# Altium PCB UmTRXv21.PcbDoc (part 13 of 19)
Units mm, origin at the board's own origin, x right, y up, seen from the top; angles counter-clockwise.
Board outline 159.5 x 99.5 mm, 6 copper layers (Top Layer, GND, MidLayer1, Mid-Layer 2, InternalPlane2, Bottom Layer), stack 1.526 mm thick; 716 components, 578 nets, 2850 pads, 1402 vias.
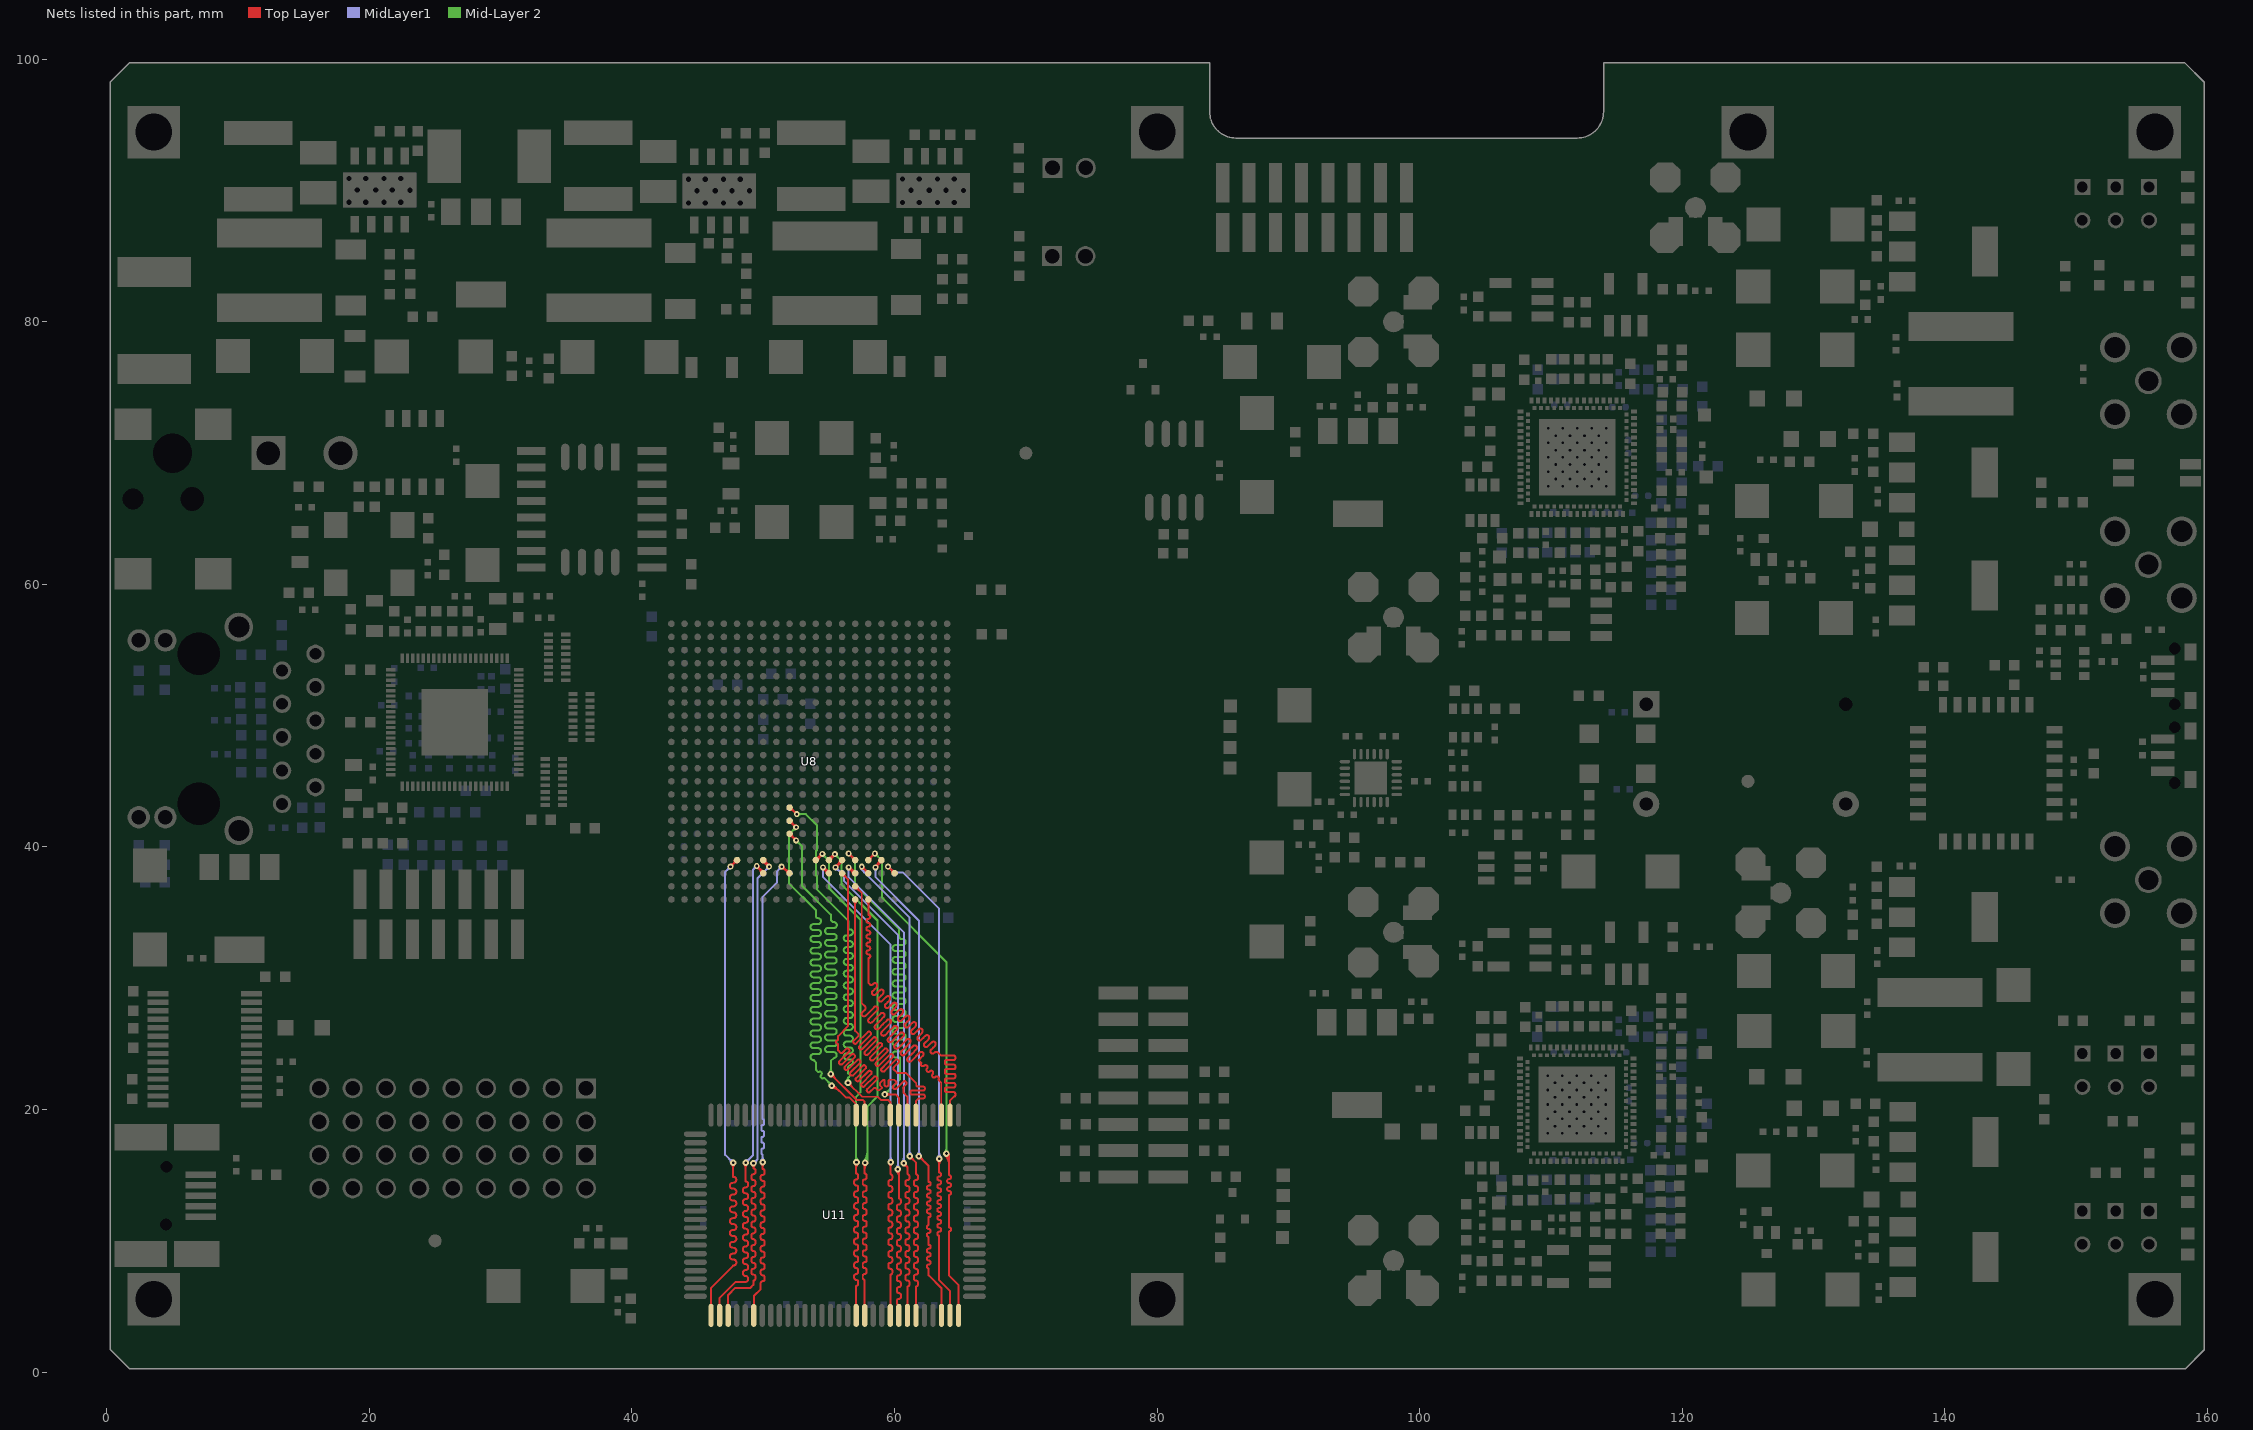
[diagram p17: the nets of this part, all layers, seen from the top]

## Via types
v1: diameter 0.45, hole 0.2, Top Layer to Bottom Layer, tented both sides, 440 vias
v2: diameter 0.5, hole 0.2, Top Layer to Bottom Layer, tented both sides, 423 vias
v3: diameter 0.7, hole 0.3, Top Layer to Bottom Layer, tented both sides, 257 vias
v4: diameter 0.4, hole 0.2, Top Layer to Bottom Layer, tented both sides, 197 vias
v5: diameter 0.8, hole 0.3, Top Layer to Bottom Layer, tented both sides, 63 vias
v6: diameter 0.6, hole 0.25, Top Layer to Bottom Layer, tented both sides, 16 vias
v7: diameter 0.6, hole 0.3, Top Layer to Bottom Layer, tented both sides, 4 vias
v8: diameter 1, hole 0.5, Top Layer to Bottom Layer, tented both sides, 2 vias

## Nets (pads, with @x,y where several pads share a name; then routed paths per layer and width w, separated by ;. In a path a pad name is that pad's centre, name@x,y a point inside that pad or via, vN(x,y) a via of type N, cw(c..) or ccw(c..) an arc to the next point about the centre after c; other vN are vias at no path point) (continued)
RAM_D05: U8.C13 U11.56 | length 42.9
  Top Layer w0.15: U11.56@49.275,4.325 49.275,5.8 49.8,6.325 49.8,6.775 cw(c49.95,6.775) 49.95,6.925 ccw(c49.95,7.075) 50.1,7.075 50.1,7.225 ccw(c49.95,7.225) 49.95,7.375 cw(c49.95,7.525) 49.8,7.525 49.8,7.675 cw(c49.95,7.675) 49.95,7.825 ccw(c49.95,7.975) 50.1,7.975 50.1,8.125 ccw(c49.95,8.125) 49.95,8.275 cw(c49.95,8.425) 49.8,8.425 49.8,8.575 cw(c49.95,8.575) 49.95,8.725 ccw(c49.95,8.875) 50.1,8.875 50.1,9.025 ccw(c49.95,9.025) 49.95,9.175 cw(c49.95,9.325) 49.8,9.325 49.8,9.475 cw(c49.95,9.475) 49.95,9.625 ccw(c49.95,9.775) 50.1,9.775 50.1,9.925 ccw(c49.95,9.925) 49.95,10.075 cw(c49.95,10.225) 49.8,10.225 49.8,10.375 cw(c49.95,10.375) 49.95,10.525 ccw(c49.95,10.675) 50.1,10.675 50.1,10.825 ccw(c49.95,10.825) 49.95,10.975 cw(c49.95,11.125) 49.8,11.125 49.8,11.275 cw(c49.95,11.275) 49.95,11.425 ccw(c49.95,11.575) 50.1,11.575 50.1,11.725 ccw(c49.95,11.725) 49.95,11.875 cw(c49.95,12.025) 49.8,12.025 49.8,12.175 cw(c49.95,12.175) 49.95,12.325 ccw(c49.95,12.475) 50.1,12.475 50.1,12.625 ccw(c49.95,12.625) 49.95,12.775 cw(c49.95,12.925) 49.8,12.925 49.8,13.075 cw(c49.95,13.075) 49.95,13.225 ccw(c49.95,13.375) 50.1,13.375 50.1,13.525 ccw(c49.95,13.525) 49.95,13.675 cw(c49.95,13.825) 49.8,13.825 49.8,13.975 cw(c49.95,13.975) 49.95,14.125 ccw(c49.95,14.275) 50.1,14.275 50.1,14.425 ccw(c49.95,14.425) 49.95,14.575 cw(c49.95,14.725) 49.8,14.725 49.8,14.875 cw(c49.95,14.875) 49.95,15.025 ccw(c49.95,15.175) 50.1,15.175 50.1,15.325 ccw(c49.95,15.325) 49.95,15.475 v2(49.95,16) ; v2@49.826,15.876 cw(c49.528,15.578) 49.95,15.578 cw(c50.372,15.578) v2@50.074,15.876 ; v1@51.4,38.35 cw(c51.4,37.867) 51.741,38.209 ; v1(51.4,38.5) 51.45,38.5 U8.C13@51.975,37.975 ; v1@51.55,38.5 ccw(c51.791,38.5) 51.621,38.329 ; 51.616,38.334 ccw(c52,38.718) U8.C13@52,38.175 ; 51.737,38.213 cw(c51.523,38) U8.C13@51.825,38
  MidLayer1 w0.15: v2@49.826,16.124 ccw(c49.528,16.422) 49.95,16.422 ccw(c50.372,16.422) v2@50.074,16.124 ; v2(49.95,16) 49.95,16.575 cw(c49.95,16.675) 49.85,16.675 49.85,16.925 cw(c49.95,16.925) 49.95,17.025 ccw(c49.95,17.125) 50.05,17.125 50.05,17.375 ccw(c49.95,17.375) 49.95,17.475 cw(c49.95,17.575) 49.85,17.575 49.85,17.825 cw(c49.95,17.825) 49.95,17.925 ccw(c49.95,18.025) 50.05,18.025 50.05,18.275 ccw(c49.95,18.275) 49.95,18.375 cw(c49.95,18.475) 49.85,18.475 49.85,18.725 cw(c49.95,18.725) 49.95,18.825 ccw(c49.95,18.925) 50.05,18.925 50.05,19.175 ccw(c49.95,19.175) 49.95,19.275 49.95,36.2 51.05,37.3 51.05,38.15 v1(51.4,38.5) ; v1@51.25,38.5 cw(c50.888,38.5) 51.144,38.244 cw(c51.4,37.988) v1@51.4,38.35
RAM_D06: U8.D15 U11.53 | length 45.2
  Top Layer w0.15: U11.53@47.325,4.325 47.325,5.875 47.875,6.425 49.025,6.425 49.25,6.65 49.25,6.975 ccw(c49.25,7.125) 49.4,7.125 49.4,7.275 ccw(c49.25,7.275) 49.25,7.425 cw(c49.25,7.575) 49.1,7.575 49.1,7.725 cw(c49.25,7.725) 49.25,7.875 ccw(c49.25,8.025) 49.4,8.025 49.4,8.175 ccw(c49.25,8.175) 49.25,8.325 cw(c49.25,8.475) 49.1,8.475 49.1,8.625 cw(c49.25,8.625) 49.25,8.775 ccw(c49.25,8.925) 49.4,8.925 49.4,9.075 ccw(c49.25,9.075) 49.25,9.225 cw(c49.25,9.375) 49.1,9.375 49.1,9.525 cw(c49.25,9.525) 49.25,9.675 ccw(c49.25,9.825) 49.4,9.825 49.4,9.975 ccw(c49.25,9.975) 49.25,10.125 cw(c49.25,10.275) 49.1,10.275 49.1,10.425 cw(c49.25,10.425) 49.25,10.575 ccw(c49.25,10.725) 49.4,10.725 49.4,10.875 ccw(c49.25,10.875) 49.25,11.025 cw(c49.25,11.175) 49.1,11.175 49.1,11.325 cw(c49.25,11.325) 49.25,11.475 ccw(c49.25,11.625) 49.4,11.625 49.4,11.775 ccw(c49.25,11.775) 49.25,11.925 cw(c49.25,12.075) 49.1,12.075 49.1,12.225 cw(c49.25,12.225) 49.25,12.375 ccw(c49.25,12.525) 49.4,12.525 49.4,12.675 ccw(c49.25,12.675) 49.25,12.825 cw(c49.25,12.975) 49.1,12.975 49.1,13.125 cw(c49.25,13.125) 49.25,13.275 ccw(c49.25,13.425) 49.4,13.425 49.4,13.575 ccw(c49.25,13.575) 49.25,13.725 cw(c49.25,13.875) 49.1,13.875 49.1,14.025 cw(c49.25,14.025) 49.25,14.175 ccw(c49.25,14.325) 49.4,14.325 49.4,14.475 ccw(c49.25,14.475) 49.25,14.625 cw(c49.25,14.775) 49.1,14.775 49.1,14.925 cw(c49.25,14.925) 49.25,15.075 ccw(c49.25,15.225) 49.4,15.225 49.4,15.375 ccw(c49.25,15.375) 49.25,15.525 ; v2@49.138,15.766 cw(c48.936,15.525) 49.25,15.525 ; v2(49.25,15.9) 49.25,15.525 ; v2@49.362,15.766 ccw(c49.564,15.525) 49.25,15.525 ; U8.D15@49.957,38.83 cw(c49.822,38.295) v1@50.301,38.571 ; U8.D15@50,38.825 cw(c50,38.523) 50.213,38.737 ; U8.D15@50,39 50,38.95 v1(50.45,38.5) ; U8.D15@50.021,38.826 cw(c50.043,38.639) 50.207,38.733 ; U8.D15@50.025,39.002 ccw(c50.315,39.022) 50.169,38.77 ; U8.D15@50.166,38.945 ccw(c50.345,38.886) 50.251,38.723 ; U8.D15@50.175,39.012 ccw(c50.653,39.045) v1@50.413,38.629 ; U8.D15@50.175,39 ccw(c50.718,39) v1@50.334,38.616 ; v1@50.3,38.5 ccw(c49.938,38.5) 50.194,38.756 ccw(c50.45,39.012) v1@50.45,38.65 ; U8.D15@50.169,38.955 ccw(c50.425,38.886) 50.196,38.753 cw(c50.425,38.886) U8.D15@50.169,38.955
  MidLayer1 w0.15: v2(49.25,15.9) 49.55,16.201 49.55,37.6 v1(50.45,38.5) ; v2@49.25,16.075 ccw(c49.25,16.495) 49.547,16.198 ; v2@49.425,15.9 cw(c49.85,15.9) 49.549,16.201 ; v1@50.3,38.5 cw(c49.938,38.5) 50.194,38.244 cw(c50.45,37.988) v1@50.45,38.35
RAM_D07: U8.C15 U11.52 | length 44.3
  Top Layer w0.15: U11.52@46.675,4.325 46.675,5.65 47.9,6.875 48.65,6.875 ccw(c48.65,7.075) 48.85,7.075 48.85,7.125 ccw(c48.65,7.125) 48.65,7.325 cw(c48.65,7.525) 48.45,7.525 48.45,7.575 cw(c48.65,7.575) 48.65,7.775 ccw(c48.65,7.975) 48.85,7.975 48.85,8.025 ccw(c48.65,8.025) 48.65,8.225 cw(c48.65,8.425) 48.45,8.425 48.45,8.475 cw(c48.65,8.475) 48.65,8.675 ccw(c48.65,8.875) 48.85,8.875 48.85,8.925 ccw(c48.65,8.925) 48.65,9.125 cw(c48.65,9.325) 48.45,9.325 48.45,9.375 cw(c48.65,9.375) 48.65,9.575 ccw(c48.65,9.775) 48.85,9.775 48.85,9.825 ccw(c48.65,9.825) 48.65,10.025 cw(c48.65,10.225) 48.45,10.225 48.45,10.275 cw(c48.65,10.275) 48.65,10.475 ccw(c48.65,10.675) 48.85,10.675 48.85,10.725 ccw(c48.65,10.725) 48.65,10.925 cw(c48.65,11.125) 48.45,11.125 48.45,11.175 cw(c48.65,11.175) 48.65,11.375 ccw(c48.65,11.575) 48.85,11.575 48.85,11.625 ccw(c48.65,11.625) 48.65,11.825 cw(c48.65,12.025) 48.45,12.025 48.45,12.075 cw(c48.65,12.075) 48.65,12.275 ccw(c48.65,12.475) 48.85,12.475 48.85,12.525 ccw(c48.65,12.525) 48.65,12.725 cw(c48.65,12.925) 48.45,12.925 48.45,12.975 cw(c48.65,12.975) 48.65,13.175 ccw(c48.65,13.375) 48.85,13.375 48.85,13.425 ccw(c48.65,13.425) 48.65,13.625 cw(c48.65,13.825) 48.45,13.825 48.45,13.875 cw(c48.65,13.875) 48.65,14.075 ccw(c48.65,14.275) 48.85,14.275 48.85,14.325 ccw(c48.65,14.325) 48.65,14.525 v2(48.65,15.95) ; v2@48.526,15.826 cw(c48.228,15.528) 48.65,15.528 cw(c49.072,15.528) v2@48.774,15.826 ; v1@49.5,38.4 cw(c49.5,38.159) 49.671,38.329 ; v1(49.5,38.55) 49.5,38.5 U8.C15@50,38 ; v1@49.644,38.463 ccw(c50.179,38.772) U8.C15@50.04,38.17 ; v1@49.65,38.55 ccw(c50.133,38.55) 49.791,38.209 ; 49.769,38.247 ccw(c49.913,38.33) U8.C15@49.955,38.169 ; U8.C15@49.825,38 ccw(c49.403,38) 49.701,38.299 ccw(c50,38.597) U8.C15@50,38.175
  MidLayer1 w0.15: v2(48.65,15.95) 49.2,16.5 49.2,38.25 v1(49.5,38.55) ; v2@48.65,16.125 ccw(c48.65,16.547) 48.949,16.249 ccw(c49.247,15.95) v2@48.825,15.95 ; v1@49.35,38.55 cw(c48.988,38.55) 49.244,38.294 cw(c49.5,38.038) v1@49.5,38.4
RAM_D08: U8.D17 U11.51 | length 43.7
  Top Layer w0.15: U11.51@46.025,4.325 46.025,6.425 47.7,8.1 cw(c47.725,8.1) 47.725,8.125 ccw(c47.725,8.35) 47.95,8.35 ccw(c47.725,8.35) 47.725,8.575 47.675,8.575 cw(c47.675,8.8) 47.45,8.8 cw(c47.675,8.8) 47.675,9.025 47.725,9.025 ccw(c47.725,9.25) 47.95,9.25 ccw(c47.725,9.25) 47.725,9.475 47.675,9.475 cw(c47.675,9.7) 47.45,9.7 cw(c47.675,9.7) 47.675,9.925 47.725,9.925 ccw(c47.725,10.15) 47.95,10.15 ccw(c47.725,10.15) 47.725,10.375 47.675,10.375 cw(c47.675,10.6) 47.45,10.6 cw(c47.675,10.6) 47.675,10.825 47.725,10.825 ccw(c47.725,11.05) 47.95,11.05 ccw(c47.725,11.05) 47.725,11.275 47.675,11.275 cw(c47.675,11.5) 47.45,11.5 cw(c47.675,11.5) 47.675,11.725 47.725,11.725 ccw(c47.725,11.95) 47.95,11.95 ccw(c47.725,11.95) 47.725,12.175 47.675,12.175 cw(c47.675,12.4) 47.45,12.4 cw(c47.675,12.4) 47.675,12.625 47.725,12.625 ccw(c47.725,12.85) 47.95,12.85 ccw(c47.725,12.85) 47.725,13.075 47.675,13.075 cw(c47.675,13.3) 47.45,13.3 cw(c47.675,13.3) 47.675,13.525 47.725,13.525 ccw(c47.725,13.75) 47.95,13.75 ccw(c47.725,13.75) 47.725,13.975 47.675,13.975 cw(c47.675,14.2) 47.45,14.2 cw(c47.675,14.2) 47.675,14.425 47.725,14.425 ccw(c47.725,14.65) 47.95,14.65 ccw(c47.725,14.65) 47.725,14.875 cw(c47.725,14.9) 47.7,14.9 v2(47.7,15.95) ; v1(47.5,38.5) U8.D17@48,39 ; v1@47.5,38.65 ccw(c47.5,39.012) 47.756,38.756 ccw(c48.012,38.5) v1@47.65,38.5 ; v2@47.576,15.826 cw(c47.278,15.528) 47.7,15.528 cw(c48.122,15.528) v2@47.824,15.826 ; U8.D17@47.825,39 cw(c47.403,39) 47.701,38.701 cw(c48,38.403) U8.D17@48,38.825
  MidLayer1 w0.15: v1@47.35,38.5 cw(c46.988,38.5) 47.244,38.244 cw(c47.5,37.988) v1@47.5,38.35 ; v1(47.5,38.5) 47.1,38.1 47.1,16.55 v2(47.7,15.95) ; v2@47.525,15.95 ccw(c47.103,15.95) 47.401,16.249 ccw(c47.7,16.547) v2@47.7,16.125
RAM_D09: U8.D11 U11.68 | length 45.1
  Top Layer w0.15: U8.D11@54,39 54.45,39.45 v1@54.45,39.5 ; U8.D11@54,39.175 ccw(c54,39.597) 54.299,39.299 ccw(c54.597,39) U8.D11@54.175,39 ; U8.D11@54.168,39.049 cw(c54.314,39.091) 54.238,39.223 ; U8.D11@54.172,38.969 cw(c54.691,38.875) v1@54.427,39.332 ; 54.201,39.201 cw(c54.5,38.903) v1@54.5,39.325 ; 54.262,39.262 ccw(c54.048,39.475) v1@54.35,39.475 ; v1@54.35,39.473 cw(c54.181,39.47) 54.301,39.351 ; v1@54.407,39.357 ccw(c54.358,39.293) 54.301,39.351 ; v1@54.503,39.502 54.452,39.502 v1@54.45,39.5 ; v2@56.976,15.876 cw(c56.738,15.638) 57.075,15.638 ; U11.68@57.075,4.325 57.075,6.575 ccw(c57.075,6.725) 57.225,6.725 57.225,6.875 ccw(c57.075,6.875) 57.075,7.025 cw(c57.075,7.175) 56.925,7.175 56.925,7.325 cw(c57.075,7.325) 57.075,7.475 ccw(c57.075,7.625) 57.225,7.625 57.225,7.775 ccw(c57.075,7.775) 57.075,7.925 cw(c57.075,8.075) 56.925,8.075 56.925,8.225 cw(c57.075,8.225) 57.075,8.375 ccw(c57.075,8.525) 57.225,8.525 57.225,8.675 ccw(c57.075,8.675) 57.075,8.825 cw(c57.075,8.975) 56.925,8.975 56.925,9.125 cw(c57.075,9.125) 57.075,9.275 ccw(c57.075,9.425) 57.225,9.425 57.225,9.575 ccw(c57.075,9.575) 57.075,9.725 cw(c57.075,9.875) 56.925,9.875 56.925,10.025 cw(c57.075,10.025) 57.075,10.175 ccw(c57.075,10.325) 57.225,10.325 57.225,10.475 ccw(c57.075,10.475) 57.075,10.625 cw(c57.075,10.775) 56.925,10.775 56.925,10.925 cw(c57.075,10.925) 57.075,11.075 ccw(c57.075,11.225) 57.225,11.225 57.225,11.375 ccw(c57.075,11.375) 57.075,11.525 cw(c57.075,11.675) 56.925,11.675 56.925,11.825 cw(c57.075,11.825) 57.075,11.975 ccw(c57.075,12.125) 57.225,12.125 57.225,12.275 ccw(c57.075,12.275) 57.075,12.425 cw(c57.075,12.575) 56.925,12.575 56.925,12.725 cw(c57.075,12.725) 57.075,12.875 ccw(c57.075,13.025) 57.225,13.025 57.225,13.175 ccw(c57.075,13.175) 57.075,13.325 cw(c57.075,13.475) 56.925,13.475 56.925,13.625 cw(c57.075,13.625) 57.075,13.775 ccw(c57.075,13.925) 57.225,13.925 57.225,14.075 ccw(c57.075,14.075) 57.075,14.225 cw(c57.075,14.375) 56.925,14.375 56.925,14.525 cw(c57.075,14.525) 57.075,14.675 ccw(c57.075,14.825) 57.225,14.825 57.225,14.975 ccw(c57.075,14.975) 57.075,15.125 57.075,15.975 v2(57.1,16) ; 57.075,15.517 cw(c57.583,15.517) v2@57.224,15.876 ; 54.301,39.351 v1@54.45,39.5 ; U8.D11@54.045,39.169 ccw(c54.09,39.334) 54.175,39.186 cw(c54.09,39.334) U8.D11@54.045,39.169
  Mid-Layer 2 w0.15: v1@54.5,39.325 cw(c54.5,39.023) 54.713,39.237 ; v1@54.503,39.502 54.452,39.502 54.45,39.5 55,38.95 55,36.875 57.4,34.475 57.4,21.3 57.075,20.975 57.075,16.025 v2(57.1,16) ; v1@54.65,39.475 ccw(c55.072,39.475) 54.774,39.176 ; v2@56.976,16.124 ccw(c56.738,16.362) 57.075,16.362 ; 57.075,16.483 ccw(c57.583,16.483) v2@57.224,16.124
  other v1: 54.5,39.475
RAM_D10: U8.D10 U11.69 | length 46.1
  Top Layer w0.15: U8.D10@54.979,39.174 ccw(c54.925,39.613) v1@55.308,39.392 ; U8.D10@55,39 v1(55.45,39.45) ; U8.D10@55,39.175 ccw(c55,39.597) 55.299,39.299 ccw(c55.597,39) U8.D10@55.175,39 ; U8.D10@55.053,39.167 ccw(c55.095,39.299) 55.214,39.229 ; U8.D10@55.167,39.053 cw(c55.299,39.095) 55.229,39.214 ; U8.D10@55.174,38.979 cw(c55.613,38.925) v1@55.392,39.308 ; v1@55.3,39.45 cw(c54.938,39.45) 55.194,39.194 cw(c55.45,38.938) v1@55.45,39.3 ; v2@57.626,15.826 cw(c57.388,15.588) 57.725,15.588 ; U11.69@57.725,4.325 57.725,7.025 cw(c57.725,7.175) 57.575,7.175 57.575,7.325 cw(c57.725,7.325) 57.725,7.475 ccw(c57.725,7.625) 57.875,7.625 57.875,7.775 ccw(c57.725,7.775) 57.725,7.925 cw(c57.725,8.075) 57.575,8.075 57.575,8.225 cw(c57.725,8.225) 57.725,8.375 ccw(c57.725,8.525) 57.875,8.525 57.875,8.675 ccw(c57.725,8.675) 57.725,8.825 cw(c57.725,8.975) 57.575,8.975 57.575,9.125 cw(c57.725,9.125) 57.725,9.275 ccw(c57.725,9.425) 57.875,9.425 57.875,9.575 ccw(c57.725,9.575) 57.725,9.725 cw(c57.725,9.875) 57.575,9.875 57.575,10.025 cw(c57.725,10.025) 57.725,10.175 ccw(c57.725,10.325) 57.875,10.325 57.875,10.475 ccw(c57.725,10.475) 57.725,10.625 cw(c57.725,10.775) 57.575,10.775 57.575,10.925 cw(c57.725,10.925) 57.725,11.075 ccw(c57.725,11.225) 57.875,11.225 57.875,11.375 ccw(c57.725,11.375) 57.725,11.525 cw(c57.725,11.675) 57.575,11.675 57.575,11.825 cw(c57.725,11.825) 57.725,11.975 ccw(c57.725,12.125) 57.875,12.125 57.875,12.275 ccw(c57.725,12.275) 57.725,12.425 cw(c57.725,12.575) 57.575,12.575 57.575,12.725 cw(c57.725,12.725) 57.725,12.875 ccw(c57.725,13.025) 57.875,13.025 57.875,13.175 ccw(c57.725,13.175) 57.725,13.325 cw(c57.725,13.475) 57.575,13.475 57.575,13.625 cw(c57.725,13.625) 57.725,13.775 ccw(c57.725,13.925) 57.875,13.925 57.875,14.075 ccw(c57.725,14.075) 57.725,14.225 cw(c57.725,14.375) 57.575,14.375 57.575,14.525 cw(c57.725,14.525) 57.725,14.675 ccw(c57.725,14.825) 57.875,14.825 57.875,14.975 ccw(c57.725,14.975) 57.725,15.125 v2@57.725,15.925 ; 57.725,15.467 cw(c58.233,15.467) v2@57.874,15.826 ; U8.D10@55.045,39.169 ccw(c55.092,39.343) 55.182,39.187 cw(c55.092,39.343) U8.D10@55.045,39.169 ; U8.D10@55.169,39.045 cw(c55.343,39.092) 55.187,39.182 ccw(c55.343,39.092) U8.D10@55.169,39.045
  Mid-Layer 2 w0.15: v1@55.45,39.3 cw(c55.45,38.938) 55.706,39.194 cw(c55.962,39.45) v1@55.6,39.45 ; v1(55.45,39.45) 55.95,38.95 55.95,37.15 58.7,34.4 58.7,21 57.925,20.225 57.925,16.125 v2(57.75,15.95) ; v2@57.626,16.074 ccw(c56.905,16.795) 57.925,16.795 ; v2@57.732,15.968 ccw(c57.267,16.433) 57.925,16.433
RAM_D11: U8.C10 U11.72 | length 44.8
  Top Layer w0.15: v1@54.55,38.3 cw(c54.55,37.938) 54.806,38.194 cw(c55.062,38.45) v1@54.7,38.45 ; v1@54.6,38.45 v1(54.55,38.45) U8.C10@55,38 ; v1@54.608,38.308 cw(c54.387,37.925) U8.C10@54.826,37.979 ; v1@54.692,38.392 ccw(c55.075,38.613) U8.C10@55.021,38.174 ; 54.771,38.214 cw(c54.701,38.095) U8.C10@54.833,38.053 ; 54.786,38.229 ccw(c54.905,38.299) U8.C10@54.947,38.167 ; U8.C10@54.825,38 ccw(c54.403,38) 54.701,38.299 ccw(c55,38.597) U8.C10@55,38.175 ; v2@59.576,15.876 cw(c59.338,15.638) 59.675,15.638 ; U11.72@59.675,4.325 59.675,7.425 ccw(c59.675,7.575) 59.825,7.575 59.825,7.725 ccw(c59.675,7.725) 59.675,7.875 cw(c59.675,8.025) 59.525,8.025 59.525,8.175 cw(c59.675,8.175) 59.675,8.325 ccw(c59.675,8.475) 59.825,8.475 59.825,8.625 ccw(c59.675,8.625) 59.675,8.775 cw(c59.675,8.925) 59.525,8.925 59.525,9.075 cw(c59.675,9.075) 59.675,9.225 ccw(c59.675,9.375) 59.825,9.375 59.825,9.525 ccw(c59.675,9.525) 59.675,9.675 cw(c59.675,9.825) 59.525,9.825 59.525,9.975 cw(c59.675,9.975) 59.675,10.125 ccw(c59.675,10.275) 59.825,10.275 59.825,10.425 ccw(c59.675,10.425) 59.675,10.575 cw(c59.675,10.725) 59.525,10.725 59.525,10.875 cw(c59.675,10.875) 59.675,11.025 ccw(c59.675,11.175) 59.825,11.175 59.825,11.325 ccw(c59.675,11.325) 59.675,11.475 cw(c59.675,11.625) 59.525,11.625 59.525,11.775 cw(c59.675,11.775) 59.675,11.925 ccw(c59.675,12.075) 59.825,12.075 59.825,12.225 ccw(c59.675,12.225) 59.675,12.375 cw(c59.675,12.525) 59.525,12.525 59.525,12.675 cw(c59.675,12.675) 59.675,12.825 ccw(c59.675,12.975) 59.825,12.975 59.825,13.125 ccw(c59.675,13.125) 59.675,13.275 cw(c59.675,13.425) 59.525,13.425 59.525,13.575 cw(c59.675,13.575) 59.675,13.725 ccw(c59.675,13.875) 59.825,13.875 59.825,14.025 ccw(c59.675,14.025) 59.675,14.175 cw(c59.675,14.325) 59.525,14.325 59.525,14.475 cw(c59.675,14.475) 59.675,14.625 ccw(c59.675,14.775) 59.825,14.775 59.825,14.925 ccw(c59.675,14.925) 59.675,15.075 59.675,15.975 v2(59.7,16) ; 59.675,15.517 cw(c60.183,15.517) v2@59.824,15.876 ; 54.813,38.182 cw(c54.657,38.092) 54.831,38.045 ccw(c54.657,38.092) 54.813,38.182 ; 54.818,38.187 ccw(c54.908,38.343) 54.955,38.169 cw(c54.908,38.343) 54.818,38.187
  MidLayer1 w0.15: v1@54.444,38.344 cw(c54.188,38.088) 54.55,38.088 cw(c54.912,38.088) v1@54.656,38.344 ; v1(54.55,38.45) 54.55,37.7 59.7,32.55 v2(59.7,16) ; v2@59.576,16.124 ccw(c59.278,16.422) 59.7,16.422 ccw(c60.122,16.422) v2@59.824,16.124
RAM_D12: U8.D9 U11.73 | length 44.1
  Top Layer w0.15: v1(55.5,38.45) 55.5,38.5 U8.D9@56,39 ; v1@55.5,38.6 ccw(c55.5,38.841) 55.671,38.671 ; v1@55.644,38.537 cw(c56.179,38.228) U8.D9@56.04,38.83 ; v1@55.65,38.45 cw(c56.133,38.45) 55.791,38.791 ; 55.769,38.753 cw(c55.913,38.67) U8.D9@55.955,38.831 ; U8.D9@55.825,39 cw(c55.403,39) 55.701,38.701 cw(c56,38.402) U8.D9@56,38.825 ; v2@60.126,15.326 cw(c59.646,14.846) 60.325,14.846 ; v2@60.232,15.432 cw(c60.009,15.209) 60.325,15.209 cw(c60.491,15.209) v2@60.374,15.326 ; v2(60.25,15.45) 60.325,15.375 60.325,13.225 cw(c60.325,13.075) 60.475,13.075 60.475,12.925 cw(c60.325,12.925) 60.325,12.775 ccw(c60.325,12.625) 60.175,12.625 60.175,12.475 ccw(c60.325,12.475) 60.325,12.325 cw(c60.325,12.175) 60.475,12.175 60.475,12.025 cw(c60.325,12.025) 60.325,11.875 ccw(c60.325,11.725) 60.175,11.725 60.175,11.575 ccw(c60.325,11.575) 60.325,11.425 cw(c60.325,11.275) 60.475,11.275 60.475,11.125 cw(c60.325,11.125) 60.325,10.975 ccw(c60.325,10.825) 60.175,10.825 60.175,10.675 ccw(c60.325,10.675) 60.325,10.525 cw(c60.325,10.375) 60.475,10.375 60.475,10.225 cw(c60.325,10.225) 60.325,10.075 ccw(c60.325,9.925) 60.175,9.925 60.175,9.775 ccw(c60.325,9.775) 60.325,9.625 cw(c60.325,9.475) 60.475,9.475 60.475,9.325 cw(c60.325,9.325) 60.325,9.175 ccw(c60.325,9.025) 60.175,9.025 60.175,8.875 ccw(c60.325,8.875) 60.325,8.725 cw(c60.325,8.575) 60.475,8.575 60.475,8.425 cw(c60.325,8.425) 60.325,8.275 ccw(c60.325,8.125) 60.175,8.125 60.175,7.975 ccw(c60.325,7.975) 60.325,7.825 cw(c60.325,7.675) 60.475,7.675 60.475,7.525 cw(c60.325,7.525) 60.325,7.375 ccw(c60.325,7.225) 60.175,7.225 60.175,7.075 ccw(c60.325,7.075) 60.325,6.925 cw(c60.325,6.775) 60.475,6.775 60.475,6.625 cw(c60.325,6.625) 60.325,6.475 ccw(c60.325,6.325) 60.175,6.325 60.175,6.175 ccw(c60.325,6.175) 60.325,6.025 cw(c60.325,5.875) 60.475,5.875 60.475,5.725 cw(c60.325,5.725) 60.325,5.575 ccw(c60.325,5.425) 60.175,5.425 60.175,5.275 ccw(c60.325,5.275) 60.325,5.125 U11.73@60.325,4.325
  MidLayer1 w0.15: v1@55.5,38.3 cw(c55.5,37.938) 55.756,38.194 cw(c56.012,38.45) v1@55.65,38.45 ; v1(55.5,38.45) 56.15,37.8 56.15,37.4 60.25,33.3 v2(60.25,15.45) ; v2@60.126,15.574 ccw(c59.828,15.872) 60.25,15.872 ccw(c60.672,15.872) v2@60.374,15.574
RAM_D13: U8.C8 U11.74 | length 45
  Top Layer w0.15: v1@56.5,38.3 cw(c56.5,37.938) 56.756,38.194 cw(c57.012,38.45) v1@56.65,38.45 ; v1(56.5,38.45) U8.C8@56.975,37.975 ; v1@56.571,38.301 cw(c56.295,37.822) U8.C8@56.83,37.957 ; v1@56.616,38.334 ccw(c57,38.718) U8.C8@57,38.175 ; v1@56.629,38.413 ccw(c57.045,38.653) U8.C8@57.012,38.175 ; 56.723,38.251 ccw(c56.886,38.345) U8.C8@56.945,38.166 ; 56.733,38.207 cw(c56.639,38.043) U8.C8@56.826,38.021 ; 56.737,38.213 cw(c56.523,38) U8.C8@56.825,38 ; 56.77,38.169 ccw(c57.022,38.315) U8.C8@57.002,38.025 ; v2(60.7,15.9) 60.975,15.625 ; v2@60.711,15.725 cw(c60.731,15.381) 60.975,15.625 ; v2@60.875,15.889 ccw(c61.219,15.869) 60.975,15.625 ; U11.74@60.975,4.325 60.975,6.525 ccw(c60.975,6.675) 61.125,6.675 61.125,6.825 ccw(c60.975,6.825) 60.975,6.975 cw(c60.975,7.125) 60.825,7.125 60.825,7.275 cw(c60.975,7.275) 60.975,7.425 ccw(c60.975,7.575) 61.125,7.575 61.125,7.725 ccw(c60.975,7.725) 60.975,7.875 cw(c60.975,8.025) 60.825,8.025 60.825,8.175 cw(c60.975,8.175) 60.975,8.325 ccw(c60.975,8.475) 61.125,8.475 61.125,8.625 ccw(c60.975,8.625) 60.975,8.775 cw(c60.975,8.925) 60.825,8.925 60.825,9.075 cw(c60.975,9.075) 60.975,9.225 ccw(c60.975,9.375) 61.125,9.375 61.125,9.525 ccw(c60.975,9.525) 60.975,9.675 cw(c60.975,9.825) 60.825,9.825 60.825,9.975 cw(c60.975,9.975) 60.975,10.125 ccw(c60.975,10.275) 61.125,10.275 61.125,10.425 ccw(c60.975,10.425) 60.975,10.575 cw(c60.975,10.725) 60.825,10.725 60.825,10.875 cw(c60.975,10.875) 60.975,11.025 ccw(c60.975,11.175) 61.125,11.175 61.125,11.325 ccw(c60.975,11.325) 60.975,11.475 cw(c60.975,11.625) 60.825,11.625 60.825,11.775 cw(c60.975,11.775) 60.975,11.925 ccw(c60.975,12.075) 61.125,12.075 61.125,12.225 ccw(c60.975,12.225) 60.975,12.375 cw(c60.975,12.525) 60.825,12.525 60.825,12.675 cw(c60.975,12.675) 60.975,12.825 ccw(c60.975,12.975) 61.125,12.975 61.125,13.125 ccw(c60.975,13.125) 60.975,13.275 cw(c60.975,13.425) 60.825,13.425 60.825,13.575 cw(c60.975,13.575) 60.975,13.725 ccw(c60.975,13.875) 61.125,13.875 61.125,14.025 ccw(c60.975,14.025) 60.975,14.175 cw(c60.975,14.325) 60.825,14.325 60.825,14.475 cw(c60.975,14.475) 60.975,14.625 ccw(c60.975,14.775) 61.125,14.775 61.125,14.925 ccw(c60.975,14.925) 60.975,15.075 60.975,15.625 ; 56.753,38.196 ccw(c56.886,38.425) 56.955,38.169 cw(c56.886,38.425) 56.753,38.196